# Altium PCB 键盘.PcbDoc (part 2 of 4)
Units mm, origin at the board's own origin, x right, y up, seen from the top; angles counter-clockwise.
Board outline 443.48 x 149.35 mm, 2 copper layers (Top Layer, Bottom Layer); 278 components, 283 nets, 1577 pads, 1412 vias.
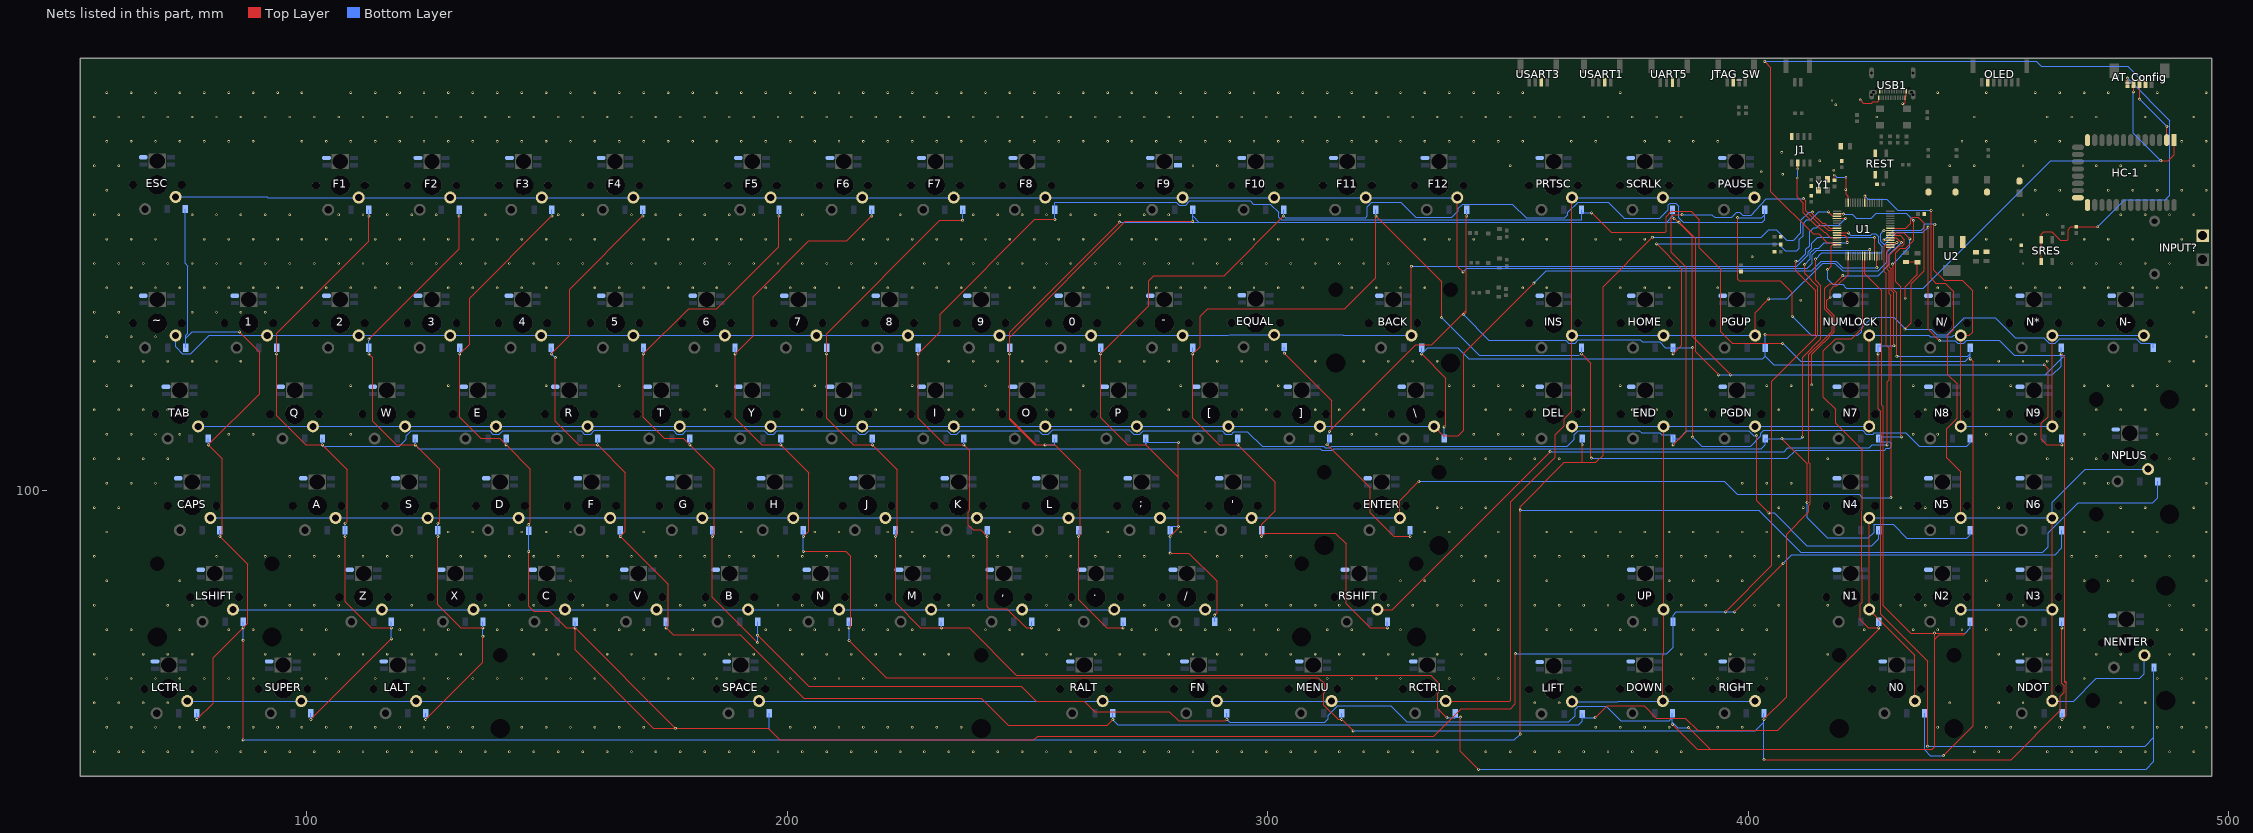
[diagram p2: the nets of this part, all layers, seen from the top]

## Via types
v1: diameter 0.508, hole 0.254, Top Layer to Bottom Layer, 1072 vias
v2: diameter 0.61, hole 0.305, Top Layer to Bottom Layer, 310 vias
v3: diameter 0.508, hole 0.254, Top Layer to Bottom Layer, tented both sides, 30 vias

## Nets (pads, with @x,y where several pads share a name; then routed paths per layer and width w, separated by ;. In a path a pad name is that pad's centre, name@x,y a point inside that pad or via, vN(x,y) a via of type N, cw(c..) or ccw(c..) an arc to the next point about the centre after c; other vN are vias at no path point) (continued)
GND: 0.5 1.5 2.5 3.5 4.5 5.5 6.5 7.5 8.5 9.5 '.5 ,.5 -.5 ..5 /.5 ;.5 [.5 \.5 ].5 A.5 AT_Config.2 B.5 BACK.5 C1.2 C2.2 C3.2 C4.1 C5.2 C6.2 C7.2 C8.2 C9.1 C10.1 C11.1 C12.1 C13.2 C.5 CAPS.5 D1.2 D2.2 D3.2 D.5 DEL.5 DOWN.5 DR.2 E.5 END.5 ENTER.5 EQUAL.5 ESC.5 F1.5 F2.5 F3.5 F4.5 F5.5 F6.5 F7.5 F8.5 F9.3 F9.5 F10.5 F11.5 F12.5 F.5 FN.5 G.5 H.5 HC-1.13 HC-1.21 HC-1.22 HOME.5 I.5 INPUT?.1 INS.5 J1.2 J1.8 J.5 JTAG_SW.3 K.5 L.5 LALT.5 LCTRL.5 LIFT.5 LSHIFT.5 M.5 MENU.5 N0.5 N1.5 N2.5 N3.5 N4.5 N5.5 N6.5 N7.5 N8.5 N9.5 N*.5 N-.5 N.5 N/.5 NDOT.5 NENTER.5 NPLUS.5 NUMLOCK.5 O.5 OLED.6 P.5 PAUSE.5 PGDN.5 PGUP.5 PRTSC.5 Q.5 R1.2 R3.2 R15.2 R.5 RALT.5 RCTRL.5 REST.2 RIGHT.5 RSHIFT.5 S.5 SCRLK.5 SPACE.5 SUPER.5 T.5 TAB.5 U1.12 U1.18 U1.63 U2.1 U.5 UART5.2 UP.5 USART1.2 USART3.2 USB1.A1 USB1.A12 USB1.B1 USB1.B12 V.5 W.5 X.5 Y1.2 Y1.4 Y.5 Z.5 ~.5 | length 79.9
  Top Layer w0.254: v3(410.21,165.1) 410.21,161.163 411.512,159.861 411.512,157.836 414.16,155.188 414.414,155.188 415.805,153.797 416.052,153.797 417.134,152.715 418.47,152.715 U1.12@418.503,152.682 ; v3(410.337,166.993) J1.2@410.337,168.236 ; v3(413.258,122.047) 413.258,128.404 415.775,130.921 415.814,130.921 417.954,133.06 417.954,136.434 416.379,138.008 416.379,139.646 v3(417.068,140.335) 417.068,141.792 417.97,142.694 418.452,142.694 418.491,142.654 420.803,144.966 U1.18@420.803,148.882 ; C4.1@417.957,164.622 v3(417.957,165.735) ; v3(420.37,165.227) 420.37,161.678 420.803,161.245 U1.63@420.803,159.982 ; v3(423.342,181.356) 424.002,180.696 425.697,180.696 425.948,180.946 426.945,180.946 427.147,181.148 USB1.A12@427.147,181.816 ; v3(432.151,180.594) 432.511,180.594 432.647,180.73 USB1.A1@432.647,181.816 432.897,182.066 USB1.B12@432.897,183.116 ; v3@432.666,140.104 v3(432.689,140.127) 432.689,142.501 435.229,145.041 C10.1@435.229,147.574 435.163,147.64 C9.1@432.816,147.64
  Bottom Layer w0.254: v3(410.21,165.1) 410.337,165.227 v3(410.337,166.993) ; v3(417.957,165.735) 418.465,165.227 v3(420.37,165.227)
  other v1: 55.88,45.72 60.96,45.72 66.04,45.72 71.12,45.72 76.2,45.72 81.28,45.72 86.36,45.72 91.44,45.72 96.52,45.72 101.6,45.72 106.68,45.72 111.76,45.72 116.84,45.72 121.92,45.72 127,45.72 132.08,45.72 137.16,45.72 142.24,45.72 147.32,45.72 152.4,45.72 157.48,45.72 162.56,45.72 167.64,45.72 172.72,45.72 177.8,45.72 182.88,45.72 187.96,45.72 193.04,45.72 198.12,45.72 203.2,45.72 208.28,45.72 213.36,45.72 218.44,45.72 223.52,45.72 228.6,45.72 233.68,45.72 238.76,45.72 243.84,45.72 248.92,45.72 254,45.72 259.08,45.72 264.16,45.72 269.24,45.72 274.32,45.72 279.4,45.72 284.48,45.72 289.56,45.72 294.64,45.72 299.72,45.72 304.8,45.72 309.88,45.72 314.96,45.72 320.04,45.72 325.12,45.72 330.2,45.72 335.28,45.72 345.44,45.72 350.52,45.72 355.6,45.72 360.68,45.72 365.76,45.72 370.84,45.72 375.92,45.72 381,45.72 386.08,45.72 447.04,45.72 452.12,45.72 462.28,45.72 467.36,45.72 472.44,45.72 477.52,45.72 482.6,45.72 487.68,45.72 492.76,45.72 58.42,50.8 63.5,50.8 68.58,50.8 73.66,50.8 78.74,50.8 83.82,50.8 88.9,50.8 93.98,50.8 99.06,50.8 104.14,50.8 109.22,50.8 114.3,50.8 119.38,50.8 124.46,50.8 129.54,50.8 134.62,50.8 144.78,50.8 149.86,50.8 154.94,50.8 160.02,50.8 165.1,50.8 170.18,50.8 200.66,50.8 205.74,50.8 210.82,50.8 215.9,50.8 220.98,50.8 226.06,50.8 231.14,50.8 236.22,50.8 368.3,50.8 373.38,50.8 378.46,50.8 383.54,50.8 393.7,50.8 398.78,50.8 439.42,50.8 449.58,50.8 454.66,50.8 459.74,50.8 464.82,50.8 469.9,50.8 474.98,50.8 480.06,50.8 485.14,50.8 490.22,50.8 495.3,50.8 55.88,55.88 60.96,55.88 66.04,55.88 71.12,55.88 355.6,55.88 360.68,55.88 441.96,55.88 452.12,55.88 457.2,55.88 477.52,55.88 482.6,55.88 492.76,55.88 58.42,60.96 63.5,60.96 68.58,60.96 73.66,60.96 78.74,60.96 83.82,60.96 88.9,60.96 99.06,60.96 104.14,60.96 114.3,60.96 124.46,60.96 129.54,60.96 134.62,60.96 139.7,60.96 144.78,60.96 149.86,60.96 154.94,60.96 160.02,60.96 170.18,60.96 175.26,60.96 180.34,60.96 185.42,60.96 195.58,60.96 200.66,60.96 205.74,60.96 210.82,60.96 215.9,60.96 312.42,60.96 317.5,60.96 322.58,60.96 327.66,60.96 337.82,60.96 342.9,60.96 347.98,60.96 388.62,60.96 393.7,60.96 403.86,60.96 469.9,60.96 485.14,60.96 490.22,60.96 495.3,60.96 55.88,66.04 66.04,66.04 71.12,66.04 76.2,66.04 91.44,66.04 96.52,66.04 101.6,66.04 106.68,66.04 111.76,66.04 116.84,66.04 121.92,66.04 127,66.04 132.08,66.04 147.32,66.04 152.4,66.04 162.56,66.04 167.64,66.04 172.72,66.04 177.8,66.04 182.88,66.04 187.96,66.04 193.04,66.04 203.2,66.04 208.28,66.04 213.36,66.04 218.44,66.04 223.52,66.04 228.6,66.04 233.68,66.04 248.92,66.04 254,66.04 259.08,66.04 264.16,66.04 269.24,66.04 274.32,66.04 279.4,66.04 284.48,66.04 289.56,66.04 294.64,66.04 299.72,66.04 304.8,66.04 309.88,66.04 314.96,66.04 320.04,66.04 325.12,66.04 330.2,66.04 335.28,66.04 340.36,66.04 345.44,66.04 386.08,66.04 391.16,66.04 396.24,66.04 401.32,66.04 416.56,66.04 452.12,66.04 457.2,66.04 462.28,66.04 472.44,66.04 477.52,66.04 487.68,66.04 492.76,66.04 58.42,71.12 63.5,71.12 73.66,71.12 83.82,71.12 88.9,71.12 99.06,71.12 104.14,71.12 119.38,71.12 124.46,71.12 129.54,71.12 139.7,71.12 144.78,71.12 149.86,71.12 160.02,71.12 165.1,71.12 170.18,71.12 180.34,71.12 195.58,71.12 200.66,71.12 205.74,71.12 210.82,71.12 215.9,71.12 220.98,71.12 226.06,71.12 241.3,71.12 246.38,71.12 256.54,71.12 271.78,71.12 276.86,71.12 281.94,71.12 287.02,71.12 292.1,71.12 297.18,71.12 302.26,71.12 312.42,71.12 317.5,71.12 327.66,71.12 342.9,71.12 347.98,71.12 358.14,71.12 363.22,71.12 368.3,71.12 373.38,71.12 378.46,71.12 388.62,71.12 393.7,71.12 398.78,71.12 403.86,71.12 424.18,71.12 434.34,71.12 439.42,71.12 444.5,71.12 449.58,71.12 454.66,71.12 459.74,71.12 469.9,71.12 485.14,71.12 490.22,71.12 495.3,71.12 55.88,76.2 71.12,76.2 76.2,76.2 91.44,76.2 96.52,76.2 101.6,76.2 106.68,76.2 121.92,76.2 137.16,76.2 142.24,76.2 147.32,76.2 157.48,76.2 162.56,76.2 177.8,76.2 182.88,76.2 198.12,76.2 203.2,76.2 218.44,76.2 233.68,76.2 238.76,76.2 254,76.2 259.08,76.2 274.32,76.2 279.4,76.2 294.64,76.2 299.72,76.2 304.8,76.2 309.88,76.2 314.96,76.2 325.12,76.2 330.2,76.2 335.28,76.2 340.36,76.2 345.44,76.2 355.6,76.2 360.68,76.2 365.76,76.2 370.84,76.2 375.92,76.2 386.08,76.2 391.16,76.2 401.32,76.2 406.4,76.2 416.56,76.2 431.8,76.2 436.88,76.2 452.12,76.2 457.2,76.2 487.68,76.2 492.76,76.2 58.42,81.28 73.66,81.28 154.94,81.28 327.66,81.28 332.74,81.28 342.9,81.28 347.98,81.28 358.14,81.28 383.54,81.28 388.62,81.28 393.7,81.28 398.78,81.28 449.58,81.28 469.9,81.28 474.98,81.28 480.06,81.28 495.3,81.28 55.88,86.36 81.28,86.36 91.44,86.36 96.52,86.36 101.6,86.36 106.68,86.36 111.76,86.36 116.84,86.36 121.92,86.36 132.08,86.36 137.16,86.36 142.24,86.36 147.32,86.36 152.4,86.36 157.48,86.36 162.56,86.36 167.64,86.36 172.72,86.36 177.8,86.36 182.88,86.36 187.96,86.36 193.04,86.36 198.12,86.36 203.2,86.36 208.28,86.36 218.44,86.36 223.52,86.36 228.6,86.36 233.68,86.36 238.76,86.36 243.84,86.36 248.92,86.36 254,86.36 259.08,86.36 264.16,86.36 269.24,86.36 274.32,86.36 289.56,86.36 294.64,86.36 299.72,86.36 304.8,86.36 340.36,86.36 345.44,86.36 355.6,86.36 360.68,86.36 365.76,86.36 370.84,86.36 375.92,86.36 381,86.36 386.08,86.36 391.16,86.36 396.24,86.36 401.32,86.36 406.4,86.36 467.36,86.36 472.44,86.36 477.52,86.36 482.6,86.36 487.68,86.36 492.76,86.36 58.42,91.44 129.54,91.44 134.62,91.44 144.78,91.44 149.86,91.44 154.94,91.44 170.18,91.44 190.5,91.44 205.74,91.44 210.82,91.44 220.98,91.44 226.06,91.44 231.14,91.44 246.38,91.44 266.7,91.44 281.94,91.44 287.02,91.44 332.74,91.44 337.82,91.44 347.98,91.44 358.14,91.44 363.22,91.44 368.3,91.44 373.38,91.44 378.46,91.44 383.54,91.44 388.62,91.44 393.7,91.44 398.78,91.44 403.86,91.44 469.9,91.44 474.98,91.44 480.06,91.44 485.14,91.44 495.3,91.44 55.88,96.52 60.96,96.52 335.28,96.52 340.36,96.52 345.44,96.52 406.4,96.52 411.48,96.52 431.8,96.52 436.88,96.52 452.12,96.52 477.52,96.52 482.6,96.52 492.76,96.52 58.42,101.6 63.5,101.6 68.58,101.6 398.78,101.6 403.86,101.6 408.94,101.6 469.9,101.6 474.98,101.6 495.3,101.6 55.88,106.68 60.96,106.68 66.04,106.68 71.12,106.68 335.28,106.68 340.36,106.68 345.44,106.68 350.52,106.68 355.6,106.68 360.68,106.68 416.56,106.68 462.28,106.68 467.36,106.68 472.44,106.68 482.6,106.68 487.68,106.68 492.76,106.68 58.42,111.76 63.5,111.76 68.58,111.76 73.66,111.76 83.82,111.76 88.9,111.76 109.22,111.76 317.5,111.76 322.58,111.76 342.9,111.76 347.98,111.76 353.06,111.76 434.34,111.76 439.42,111.76 449.58,111.76 454.66,111.76 459.74,111.76 469.9,111.76 485.14,111.76 495.3,111.76 55.88,116.84 60.96,116.84 66.04,116.84 71.12,116.84 177.8,116.84 182.88,116.84 203.2,116.84 218.44,116.84 223.52,116.84 233.68,116.84 238.76,116.84 243.84,116.84 254,116.84 259.08,116.84 279.4,116.84 294.64,116.84 299.72,116.84 309.88,116.84 314.96,116.84 320.04,116.84 345.44,116.84 350.52,116.84 355.6,116.84 365.76,116.84 375.92,116.84 381,116.84 391.16,116.84 406.4,116.84 436.88,116.84 452.12,116.84 472.44,116.84 477.52,116.84 482.6,116.84 492.76,116.84 58.42,121.92 63.5,121.92 109.22,121.92 129.54,121.92 149.86,121.92 165.1,121.92 185.42,121.92 205.74,121.92 226.06,121.92 241.3,121.92 261.62,121.92 281.94,121.92 302.26,121.92 337.82,121.92 342.9,121.92 347.98,121.92 353.06,121.92 373.38,121.92 403.86,121.92 408.94,121.92 434.34,121.92 454.66,121.92 469.9,121.92 474.98,121.92 480.06,121.92 485.14,121.92 495.3,121.92 55.88,127 60.96,127 66.04,127 71.12,127 76.2,127 81.28,127 86.36,127 233.68,127 238.76,127 243.84,127 248.92,127 254,127 259.08,127 264.16,127 269.24,127 274.32,127 279.4,127 289.56,127 294.64,127 299.72,127 309.88,127 320.04,127 325.12,127 330.2,127 335.28,127 452.12,127 457.2,127 462.28,127 487.68,127 492.76,127 58.42,132.08 63.5,132.08 68.58,132.08 495.3,132.08 55.88,137.16 60.96,137.16 76.2,137.16 81.28,137.16 86.36,137.16 91.44,137.16 492.76,137.16 58.42,142.24 63.5,142.24 68.58,142.24 73.66,142.24 78.74,142.24 83.82,142.24 88.9,142.24 93.98,142.24 99.06,142.24 104.14,142.24 109.22,142.24 114.3,142.24 119.38,142.24 129.54,142.24 134.62,142.24 139.7,142.24 144.78,142.24 149.86,142.24 160.02,142.24 165.1,142.24 170.18,142.24 175.26,142.24 180.34,142.24 185.42,142.24 195.58,142.24 200.66,142.24 205.74,142.24 210.82,142.24 215.9,142.24 220.98,142.24 226.06,142.24 231.14,142.24 236.22,142.24 241.3,142.24 246.38,142.24 251.46,142.24 261.62,142.24 266.7,142.24 271.78,142.24 276.86,142.24 281.94,142.24 287.02,142.24 292.1,142.24 297.18,142.24 302.26,142.24 307.34,142.24 317.5,142.24 322.58,142.24 327.66,142.24 332.74,142.24 353.06,142.24 358.14,142.24 373.38,142.24 378.46,142.24 383.54,142.24 393.7,142.24 439.42,142.24 449.58,142.24 454.66,142.24 459.74,142.24 464.82,142.24 469.9,142.24 474.98,142.24 480.06,142.24 485.14,142.24 490.22,142.24 495.3,142.24 55.88,147.32 60.96,147.32 66.04,147.32 71.12,147.32 76.2,147.32 81.28,147.32 86.36,147.32 91.44,147.32 96.52,147.32 101.6,147.32 106.68,147.32 111.76,147.32 116.84,147.32 121.92,147.32 127,147.32 132.08,147.32 137.16,147.32 142.24,147.32 147.32,147.32 152.4,147.32 157.48,147.32 162.56,147.32 167.64,147.32 172.72,147.32 177.8,147.32 182.88,147.32 187.96,147.32 193.04,147.32 198.12,147.32 203.2,147.32 208.28,147.32 213.36,147.32 218.44,147.32 228.6,147.32 233.68,147.32 238.76,147.32 243.84,147.32 248.92,147.32 254,147.32 259.08,147.32 264.16,147.32 269.24,147.32 274.32,147.32 279.4,147.32 284.48,147.32 289.56,147.32 294.64,147.32 299.72,147.32 304.8,147.32 309.88,147.32 314.96,147.32 320.04,147.32 325.12,147.32 457.2,147.32 467.36,147.32 472.44,147.32 477.52,147.32 482.6,147.32 487.68,147.32 58.42,152.4 63.5,152.4 68.58,152.4 78.74,152.4 83.82,152.4 88.9,152.4 93.98,152.4 99.06,152.4 104.14,152.4 109.22,152.4 114.3,152.4 119.38,152.4 124.46,152.4 129.54,152.4 134.62,152.4 139.7,152.4 144.78,152.4 149.86,152.4 154.94,152.4 160.02,152.4 170.18,152.4 175.26,152.4 180.34,152.4 185.42,152.4 190.5,152.4 195.58,152.4 200.66,152.4 215.9,152.4 220.98,152.4 226.06,152.4 231.14,152.4 236.22,152.4 241.3,152.4 246.38,152.4 251.46,152.4 256.54,152.4 261.62,152.4 271.78,152.4 276.86,152.4 281.94,152.4 287.02,152.4 292.1,152.4 297.18,152.4 302.26,152.4 307.34,152.4 312.42,152.4 317.5,152.4 332.74,152.4 337.82,152.4 342.9,152.4 353.06,152.4 358.14,152.4 368.3,152.4 373.38,152.4 378.46,152.4 449.58,152.4 454.66,152.4 469.9,152.4 474.98,152.4 480.06,152.4 490.22,152.4 55.88,157.48 60.96,157.48 76.2,157.48 81.28,157.48 86.36,157.48 91.44,157.48 96.52,157.48 106.68,157.48 111.76,157.48 116.84,157.48 121.92,157.48 127,157.48 137.16,157.48 152.4,157.48 157.48,157.48 167.64,157.48 172.72,157.48 177.8,157.48 182.88,157.48 187.96,157.48 193.04,157.48 203.2,157.48 223.52,157.48 238.76,157.48 243.84,157.48 248.92,157.48 254,157.48 259.08,157.48 264.16,157.48 269.24,157.48 274.32,157.48 279.4,157.48 457.2,157.48 462.28,157.48 477.52,157.48 482.6,157.48 487.68,157.48 492.76,157.48 58.42,162.56 459.74,162.56 464.82,162.56 474.98,162.56 480.06,162.56 485.14,162.56 490.22,162.56 495.3,162.56 55.88,167.64 60.96,167.64 284.48,167.64 289.56,167.64 350.52,167.64 441.96,167.64 447.04,167.64 457.2,167.64 472.44,167.64 477.52,167.64 482.6,167.64 492.76,167.64 58.42,172.72 63.5,172.72 68.58,172.72 73.66,172.72 78.74,172.72 83.82,172.72 88.9,172.72 99.06,172.72 104.14,172.72 109.22,172.72 114.3,172.72 119.38,172.72 124.46,172.72 129.54,172.72 134.62,172.72 139.7,172.72 144.78,172.72 149.86,172.72 154.94,172.72 160.02,172.72 165.1,172.72 170.18,172.72 175.26,172.72 180.34,172.72 185.42,172.72 190.5,172.72 195.58,172.72 200.66,172.72 205.74,172.72 210.82,172.72 215.9,172.72 220.98,172.72 226.06,172.72 231.14,172.72 236.22,172.72 241.3,172.72 246.38,172.72 251.46,172.72 256.54,172.72 261.62,172.72 266.7,172.72 271.78,172.72 276.86,172.72 281.94,172.72 287.02,172.72 292.1,172.72 297.18,172.72 302.26,172.72 307.34,172.72 312.42,172.72 317.5,172.72 322.58,172.72 327.66,172.72 332.74,172.72 337.82,172.72 342.9,172.72 347.98,172.72 353.06,172.72 363.22,172.72 368.3,172.72 378.46,172.72 383.54,172.72 388.62,172.72 393.7,172.72 444.5,172.72 449.58,172.72 459.74,172.72 464.82,172.72 490.22,172.72 495.3,172.72 55.88,177.8 60.96,177.8 66.04,177.8 71.12,177.8 76.2,177.8 81.28,177.8 86.36,177.8 91.44,177.8 96.52,177.8 101.6,177.8 106.68,177.8 111.76,177.8 116.84,177.8 121.92,177.8 127,177.8 132.08,177.8 137.16,177.8 142.24,177.8 147.32,177.8 152.4,177.8 157.48,177.8 162.56,177.8 167.64,177.8 172.72,177.8 177.8,177.8 182.88,177.8 187.96,177.8 193.04,177.8 198.12,177.8 203.2,177.8 208.28,177.8 213.36,177.8 218.44,177.8 223.52,177.8 228.6,177.8 233.68,177.8 238.76,177.8 243.84,177.8 248.92,177.8 254,177.8 259.08,177.8 264.16,177.8 269.24,177.8 274.32,177.8 279.4,177.8 284.48,177.8 289.56,177.8 294.64,177.8 299.72,177.8 304.8,177.8 309.88,177.8 314.96,177.8 320.04,177.8 325.12,177.8 330.2,177.8 335.28,177.8 340.36,177.8 345.44,177.8 350.52,177.8 355.6,177.8 360.68,177.8 365.76,177.8 370.84,177.8 375.92,177.8 381,177.8 386.08,177.8 426.72,177.8 447.04,177.8 462.28,177.8 467.36,177.8 472.44,177.8 482.6,177.8 492.76,177.8 58.42,182.88 63.5,182.88 68.58,182.88 73.66,182.88 78.74,182.88 83.82,182.88 88.9,182.88 93.98,182.88 99.06,182.88 109.22,182.88 114.3,182.88 119.38,182.88 124.46,182.88 129.54,182.88 134.62,182.88 139.7,182.88 144.78,182.88 149.86,182.88 154.94,182.88 160.02,182.88 165.1,182.88 170.18,182.88 175.26,182.88 180.34,182.88 185.42,182.88 190.5,182.88 195.58,182.88 200.66,182.88 205.74,182.88 210.82,182.88 215.9,182.88 220.98,182.88 226.06,182.88 231.14,182.88 236.22,182.88 241.3,182.88 246.38,182.88 251.46,182.88 256.54,182.88 261.62,182.88 266.7,182.88 271.78,182.88 276.86,182.88 281.94,182.88 287.02,182.88 292.1,182.88 297.18,182.88 302.26,182.88 307.34,182.88 312.42,182.88 317.5,182.88 322.58,182.88 327.66,182.88 332.74,182.88 337.82,182.88 342.9,182.88 347.98,182.88 353.06,182.88 373.38,182.88 439.42,182.88 449.58,182.88 459.74,182.88 464.82,182.88 469.9,182.88 474.98,182.88 485.14,182.88 495.3,182.88
  other v3: 413.385,116.84 410.972,139.7 400.812,148.717 420.268,162.687 407.162,165.862 402.717,166.37 417.83,166.751 414.909,168.681 407.01,170.434 418.211,180.34 417.449,181.229
HC_KEY: AT_Config.5 R14.2 SRES.1 | length 67.6
  Top Layer w0.254: SRES.1@461.028,147.737 SRES.1@461.028,152.237 461.028,153.412 461.502,153.885 463.233,153.885 464.947,152.171 466.369,152.171 466.598,152.4 466.598,154.381 467.172,154.955 R14.2@468.249,154.955 v2(472.76,154.955) ; AT_Config.5@478.971,184.641 v2(478.971,185.877)
  Bottom Layer w0.254: v2(472.76,154.955) 478.333,160.528 486.766,160.528 487.782,161.544 487.782,177.066 v2(478.971,185.877)
HC_RX: AT_Config.3 HC-1.2 U1.14 | length 140.5
  Top Layer w0.254: v2(403.454,189.357) 404.724,188.087 404.724,162.255 413.512,153.467 414.731,153.467 416.516,151.682 U1.14@418.503,151.682 ; v2(481.471,181.534) AT_Config.3@481.471,184.641 v2(481.471,185.873) ; HC-1.2@487.122,172.993 487.122,175.833 v2(487.147,175.858)
  Bottom Layer w0.254: v2(403.454,189.357) 459.969,189.357 460.959,188.366 478.978,188.366 v2(481.471,185.873) ; v2(481.471,181.534) v2(487.147,175.858)
HC_TX: AT_Config.4 HC-1.1 U1.15 | length 114.2
  Top Layer w0.254: v2(416.535,146.025) 417.271,146.761 417.271,150.877 417.576,151.182 U1.15@418.503,151.182 ; v2(480.187,183.007) 480.221,183.041 AT_Config.4@480.221,184.641 ; v2(485.877,168.732) 487.375,168.732 488.622,169.979 HC-1.1@488.622,172.993
  Bottom Layer w0.254: v2(416.535,146.025) 416.535,144.015 417.576,142.974 419.659,142.974 420.424,142.208 436.442,142.208 462.966,168.732 v2(485.877,168.732) 480.187,174.422 v2(480.187,183.007)
KEY_POS1: D4.2 D17.2 D31.2 D45.2 D58.2 D70.2 D84.2 D98.2 U1.8 | length 745.8
  Top Layer w0.254: v2(77.165,52.426) 80.594,55.855 80.594,65.253 v2(86.817,71.476) 87.757,72.415 87.757,84.76 v2(81.991,90.526) ; v2(81.991,90.538) 82.474,91.021 82.474,106.692 v2(79.578,109.588) 90.246,120.256 90.246,128.88 v2(86.055,133.071) ; v2(86.817,48.184) v2(86.817,68.91) ; v2(352.577,49.403) v2(352.577,96.012) 352.577,96.71 361.785,105.918 368.3,105.918 369.824,107.442 369.824,142.519 v2(380.086,152.781) ; 365.379,105.918 365.449,105.988 v3(365.449,109.582) ; v2(413.385,157.988) 413.385,157.69 415.433,155.642 415.992,155.642 416.952,154.682 U1.8@418.503,154.682
  Bottom Layer w0.254: D4.2@74.752,158.623 74.752,147.345 75.336,146.761 75.336,132.817 74.879,132.359 74.879,131.75 ; D17.2@74.879,129.794 74.879,131.75 ; v2(77.165,52.426) D70.2@77.165,53.721 ; v2(79.578,109.588) D31.2@79.578,110.871 ; v2(81.991,90.526) v2(81.991,90.538) D45.2@81.991,91.821 ; v2(86.055,133.071) 76.2,133.071 74.879,131.75 ; v2(86.817,48.184) 351.358,48.184 v2(352.577,49.403) ; v2(86.817,68.91) v2(86.817,71.476) D58.2@86.817,72.771 ; v2(352.577,96.012) 402.158,96.012 410.972,87.198 461.264,87.198 462.458,88.392 462.458,91.293 468.676,97.511 484.175,97.511 485.216,98.552 D98.2@485.216,101.981 ; v3(365.449,109.582) 365.455,109.588 D84.2@365.455,110.871 ; v2(380.086,152.781) 402.72,152.781 404.292,154.353 405.87,154.353 408.026,152.197 409.473,152.197 410.987,153.71 410.987,156.282 412.692,157.988 v2(413.385,157.988)
KEY_POS2: D5.2 D18.2 D32.2 D46.2 D59.2 D71.2 D85.2 D99.2 U1.9 | length 589.7
  Top Layer w0.254: v2(100.914,52.426) v2(117.678,69.19) ; v2(108.026,90.526) 108.026,76.937 113.475,71.488 v2(117.678,71.488) ; v2(108.026,93.243) 108.509,93.726 108.509,104.406 v2(103.327,109.588) 99.835,109.588 93.802,115.621 v2(93.802,128.511) 93.802,132.817 112.979,151.994 v2(112.979,157.201) ; v2(384.378,109.576) 387.096,112.293 387.096,146.558 383.975,149.679 383.975,157.102 384.378,157.505 v2(386.258,157.505) ; v2(401.752,111.506) 401.752,97.968 v2(404.317,95.402) ; v2(411.48,160.833) 411.966,160.347 411.966,158.316 415.094,155.188 415.645,155.188 416.65,154.182 U1.9@418.503,154.182
  Bottom Layer w0.254: v2(93.802,128.511) D18.2@93.802,129.794 ; v2(100.914,52.426) D71.2@100.914,53.721 ; D32.2@103.327,110.871 v2(103.327,109.588) 103.327,109.423 103.48,109.271 119.304,109.271 120.777,110.744 120.777,111.435 121.839,112.497 138.13,112.497 138.793,111.834 140.099,111.834 140.813,112.547 157.129,112.547 157.843,111.834 159.149,111.834 159.888,112.573 176.281,112.573 177.02,111.834 178.326,111.834 178.963,112.471 195.306,112.471 195.943,111.834 197.249,111.834 197.912,112.497 214.33,112.497 214.993,111.834 216.299,111.834 217.013,112.547 233.329,112.547 234.043,111.834 235.349,111.834 236.012,112.497 252.43,112.497 253.093,111.834 254.399,111.834 255.316,112.751 271.226,112.751 272.143,111.834 273.449,111.834 274.112,112.497 290.53,112.497 291.193,111.834 292.499,111.834 293.009,112.344 295.783,112.344 298.856,109.271 311.734,109.271 312.049,108.956 313.004,108.956 313.319,109.271 362.331,109.271 363.804,110.744 363.804,111.638 364.663,112.497 377.393,112.497 377.825,112.065 381.559,112.065 381.991,111.633 384.378,111.633 D85.2@384.378,110.871 ; v2(108.026,90.526) D46.2@108.026,91.821 v2(108.026,93.243) ; v2(112.979,157.201) D5.2@112.979,158.496 ; v2(117.678,69.19) v2(117.678,71.488) D59.2@117.678,72.771 ; v2(384.378,109.576) D85.2@384.378,110.871 ; v2(386.258,157.505) 392.481,157.505 393.09,156.896 396.545,156.896 397.586,157.937 398.212,157.937 398.831,157.318 400.609,157.318 403.733,160.833 v2(411.48,160.833) ; v2(401.752,111.506) 401.122,111.506 400.157,112.471 387.248,112.471 385.648,110.871 D85.2@384.378,110.871 ; v2(404.317,95.402) 405.409,95.402 412.217,88.595 425.704,88.595 427.177,90.068 D99.2@427.177,91.821
KEY_POS3: D6.2 D19.2 D33.2 D47.2 D60.2 D72.2 D86.2 D100.2 U1.10 | length 553.9
  Top Layer w0.254: v2(112.979,128.511) 113.817,127.673 113.817,114.452 118.682,109.588 v2(122.631,109.588) 127.686,104.533 127.686,93.599 v2(127.33,93.243) ; v2(112.979,131.572) 131.775,150.368 v2(131.775,157.201) ; v2(124.79,52.426) 136.728,64.364 v2(136.728,69.748) ; v2(127.33,90.526) 127.33,76.251 132.093,71.488 v2(136.728,71.488) ; v2(407.01,110.871) 412.267,105.613 v2(412.267,97.587) ; v2(411.328,111.227) 411.328,127.813 415.128,131.613 415.128,142.709 414.02,143.817 v2(414.02,148.234) ; U1.10@418.503,153.682 v2(420.853,153.682)
  Bottom Layer w0.254: v2(112.979,128.511) D19.2@112.979,129.794 v2(112.979,131.572) ; D33.2@122.631,110.871 v2(122.631,109.588) 123.406,108.814 310.913,108.814 311.224,108.502 313.452,108.502 313.764,108.814 402.781,108.814 403.555,109.588 D86.2@403.555,110.871 v2(407.01,110.871) 410.972,110.871 v2(411.328,111.227) ; v2(124.79,52.426) D72.2@124.79,53.721 ; v2(127.33,90.526) D47.2@127.33,91.821 v2(127.33,93.243) ; v2(131.775,157.201) D6.2@131.775,158.496 ; v2(136.728,69.748) v2(136.728,71.488) D60.2@136.728,72.771 ; v2(412.267,97.587) 412.267,94.437 416.509,90.195 425.044,90.195 426.288,91.44 426.288,93.015 430.174,93.015 433.019,90.17 445.516,90.17 446.227,90.881 D100.2@446.227,91.821 ; v2(414.02,148.234) 415.37,149.584 427.659,149.584 427.935,149.86 427.935,150.851 427.177,151.608 427.177,152.908 426.568,153.518 425.836,153.518 425.501,153.182 421.352,153.182 v2(420.853,153.682)
KEY_POS4: D7.2 D20.2 D34.2 D48.2 D61.2 D73.2 D87.2 D101.2 U1.11 | length 614.9
  Top Layer w0.254: v2(146.253,87.401) 146.253,76.022 147.32,74.955 150.622,74.955 154.089,71.488 v2(155.905,71.488) 155.905,66.904 172.212,50.597 196.113,50.597 198.501,48.209 251.384,48.209 252.146,48.971 334.594,48.971 340.284,54.661 350.571,54.661 351.587,55.677 v2(351.587,66.142) ; v2(146.253,92.989) 146.609,93.345 146.609,104.533 v2(141.554,109.588) 140.22,110.922 136.271,110.922 131.902,115.291 v2(131.902,128.511) 133.934,130.543 133.934,140.056 v2(151.079,157.201) ; v2(155.905,71.476) v2(176.784,50.597) ; v2(395.3,74.828) 404.952,84.48 404.952,122.765 414.522,132.334 414.522,142.465 411.734,145.253 v2(411.734,147.066) ; v2(397.18,74.828) v2(407.264,84.912) ; U1.11@418.503,153.182 420.124,153.182 420.624,152.682 v2(420.624,151.682)
  Bottom Layer w0.254: v2(131.902,128.511) D20.2@131.902,129.794 ; v2(141.554,109.588) D34.2@141.554,110.871 ; v2(146.253,87.401) D48.2@146.253,91.694 v2(146.253,92.989) ; v2(151.079,157.201) D7.2@151.079,158.496 ; v2(155.905,71.476) v2(155.905,71.488) D61.2@155.905,72.771 ; v2(176.784,50.597) 196.113,50.597 196.291,50.419 D73.2@196.291,53.721 ; v2(351.587,66.142) 383.032,66.142 384.378,67.488 D87.2@384.378,72.771 384.378,74.168 385.039,74.828 v2(395.3,74.828) v2(397.18,74.828) ; v2(407.264,84.912) 409.092,86.741 463.88,86.741 465.277,88.138 D101.2@465.277,91.821 ; v2(411.734,147.066) 412.934,148.266 412.934,148.984 412.935,148.985 412.935,149.506 413.925,150.495 414.652,150.495 415.839,151.682 v2(420.624,151.682)
KEY_POS5: D8.2 D21.2 D35.2 D49.2 D62.2 D74.2 D88.2 D102.2 U1.24 | length 481.1
  Top Layer w0.254: v2(150.952,128.511) 154.775,132.334 154.775,141.974 v2(170.002,157.201) ; v2(151.79,127.71) 151.79,114.452 156.667,109.576 v2(160.604,109.576) 166.37,103.81 166.37,91.592 v2(165.303,90.526) 175.311,80.518 175.311,71.971 v2(174.828,71.488) 176.288,70.028 190.246,70.028 203.454,56.82 240.411,56.82 246.024,51.206 266.598,51.206 v2(267.792,52.4) ; v2(368.173,52.807) 370.688,55.321 378.333,55.321 380.924,52.73 386.893,52.73 389.484,50.14 406.146,50.14 427.177,71.171 v2(427.177,71.476) 424.967,71.476 423.291,73.152 423.291,76.369 423.748,76.826 423.748,83.337 423.596,83.49 423.596,95.783 423.748,95.936 423.748,108.534 418.211,114.071 418.211,116.992 415.671,119.532 415.671,129.108 418.236,131.674 421.522,131.674 423.803,133.955 U1.24@423.803,148.882
  Bottom Layer w0.254: D21.2@150.952,129.794 v2(150.952,128.511) 151.753,127.71 v2(151.79,127.71) ; v2(160.604,109.576) D35.2@160.604,110.871 ; v2(165.303,90.526) D49.2@165.303,91.821 ; v2(170.002,157.201) D8.2@170.002,158.496 ; v2(174.828,71.488) D62.2@174.828,72.771 ; D74.2@267.792,53.721 v2(267.792,52.4) 268.834,51.359 364.744,51.359 365.455,52.07 D88.2@365.455,52.807 ; D88.2@365.455,53.594 D88.2@365.455,52.807 ; v2(368.173,52.807) D88.2@365.455,52.807 ; v2(427.177,71.476) D102.2@427.177,72.771
KEY_POS6: D9.2 D22.2 D36.2 D50.2 D63.2 D75.2 D89.2 D103.2 U1.25 | length 582.2
  Top Layer w0.254: v2(193.878,68.428) 184.48,77.826 v2(184.48,90.538) 184.836,90.894 184.836,104.533 v2(179.781,109.588) 178.447,110.922 174.498,110.922 170.129,115.291 v2(170.129,128.511) 179.515,137.897 185.395,137.897 198.323,150.825 v2(198.323,157.201) ; v2(193.878,69.952) 204.47,59.36 248.717,59.36 251.892,56.185 261.899,56.185 264.058,54.026 279.578,54.026 281.483,52.121 291.236,52.121 v2(291.541,52.426) ; v2(384.251,51.41) 389.433,46.228 438.277,46.228 ; v2(387.604,50.749) 392.125,46.228 438.277,46.228 ; U1.25@424.303,148.882 424.303,145.14 427.812,141.63 427.812,129.895 427.812,117.869 428.098,117.583 428.098,76.143 433.832,70.409 445.148,70.409 444.843,70.104 439.801,70.104 438.785,69.088 ; v2(438.785,70.409) 438.785,69.088 ; 438.277,46.228 438.785,46.736 438.785,69.088
  Bottom Layer w0.254: v2(170.129,128.511) D22.2@170.129,129.794 ; v2(179.781,109.588) D36.2@179.781,110.871 ; v2(184.48,90.538) D50.2@184.48,91.821 ; v2(193.878,68.428) v2(193.878,69.952) D63.2@193.878,72.771 ; v2(198.323,157.201) D9.2@198.323,158.496 ; D75.2@291.541,53.721 v2(291.541,52.426) 292.125,51.841 311.861,51.841 312.598,52.578 312.598,53.32 314.574,55.296 325.603,55.296 328.955,51.943 362.712,51.943 363.982,53.213 363.982,54.539 364.612,55.169 370.459,55.169 373.507,52.121 383.54,52.121 384.251,52.832 ; v2(384.251,51.41) 384.251,52.832 ; D89.2@384.251,53.721 384.251,52.832 ; v2(387.604,50.749) 385.318,50.749 384.251,51.816 384.251,52.832 ; v2(438.785,70.409) 445.148,70.409 446.227,71.488 D103.2@446.227,72.771
KEY_POS7: D10.2 D23.2 D37.2 D51.2 D64.2 D76.2 D90.2 D104.2 U1.37 | length 547.5
  Top Layer w0.254: v2(203.403,87.427) 212.217,87.427 213.284,86.36 213.284,71.844 v2(212.928,71.488) ; v2(203.403,90.538) 204.47,91.605 204.47,103.822 v2(198.704,109.588) 194.755,109.588 189.179,115.164 v2(189.179,128.511) 192.938,132.27 192.938,140.437 204.546,152.044 212.471,152.044 v2(217.627,157.201) ; v2(212.928,68.859) 220.628,61.16 310.569,61.16 311.861,59.868 311.861,57.988 311.709,57.836 311.709,55.372 314.655,52.426 v2(315.417,52.426) v2(317.805,50.038) ; v2(403.301,44.094) 454.762,44.094 464.998,54.331 464.998,57.302 465.744,58.048 465.744,59.452 465.277,59.919 v2(465.277,71.476) ; v2(403.301,52.438) 408,57.137 408,90.983 412.623,95.606 412.623,97.049 412.899,97.325 412.899,105.623 412.623,105.9 412.623,128.411 415.587,131.375 415.626,131.375 417.5,133.248 417.5,136.246 415.925,137.82 415.925,142.113 416.96,143.148 418.052,143.148 v2(419.684,144.78) ; U1.37@429.603,152.682 430.858,152.682 v2(431.876,151.663)
  Bottom Layer w0.254: v2(189.179,128.511) D23.2@189.179,129.794 ; v2(198.704,109.588) D37.2@198.704,110.871 ; v2(203.403,87.427) v2(203.403,90.538) D51.2@203.403,91.821 ; v2(212.928,68.859) v2(212.928,71.488) D64.2@212.928,72.771 ; v2(217.627,157.201) D10.2@217.627,158.496 ; v2(315.417,52.426) D76.2@315.417,53.721 ; v2(317.805,50.038) 401.523,50.038 403.301,51.816 ; v2(403.301,44.094) 403.301,51.816 ; D90.2@403.301,53.721 v2(403.301,52.438) 403.301,51.816 ; v2(419.684,144.78) 427.081,144.78 429.41,147.109 429.41,149.198 v2(431.876,151.663) ; v2(465.277,71.476) D104.2@465.277,72.771
KEY_POS8: D11.2 D24.2 D38.2 D52.2 D65.2 D77.2 D91.2 D105.2 U1.38 | length 581.1
  Top Layer w0.254: v2(236.55,156.312) 231.826,156.312 208.229,132.715 v2(208.229,128.511) 208.229,115.164 213.805,109.588 v2(217.754,109.588) 222.936,104.406 222.936,90.894 v2(222.58,90.538) 222.58,76.683 227.775,71.488 232.093,71.488 v2(232.105,71.476) 237.871,71.476 247.733,61.614 333.94,61.614 335.61,59.944 335.61,57.988 335.458,57.836 335.458,54.686 v2(337.312,52.832) ; v2(340.106,52.934) 340.106,45.847 v2(343.891,42.062) ; v2(427.05,128.511) 427.05,117.119 427.644,116.526 427.644,74.286 437.337,64.592 v2(437.337,46.863) ; U1.38@429.603,153.182 431.622,153.182 432.511,152.293 432.511,151.384 432.156,151.028 431.406,151.028 429.415,149.038 429.415,146.561 429.784,146.192 429.784,141.786 430.327,141.244 v2(430.327,130.2)
  Bottom Layer w0.254: v2(208.229,128.511) D24.2@208.229,129.794 ; v2(217.754,109.588) D38.2@217.754,110.871 ; v2(222.58,90.538) D52.2@222.58,91.821 ; v2(232.105,71.476) D65.2@232.105,72.771 ; v2(236.55,156.312) D11.2@236.55,158.496 ; v2(337.312,52.832) 339.039,52.832 D77.2@339.039,52.934 ; D77.2@339.039,53.721 D77.2@339.039,52.934 ; v2(340.106,52.934) D77.2@339.039,52.934 ; v2(343.891,42.062) 482.829,42.062 484.454,43.688 484.454,48.717 ; v2(427.05,128.511) D91.2@427.05,129.794 427.05,130.2 v2(430.327,130.2) ; v2(437.337,46.863) 482.6,46.863 484.454,48.717 ; D105.2@484.454,63.246 484.454,48.717
KEY_POS9: D12.2 D25.2 D39.2 D53.2 D66.2 D78.2 D92.2 D106.2 U1.39 | length 495.2
  Top Layer w0.254: v2(250.901,71.476) 249.733,71.476 245.745,75.463 242.087,75.463 241.63,75.921 v2(241.63,90.538) 240.296,91.872 238.76,91.872 237.744,92.888 237.744,95.597 238.074,95.927 238.074,108.318 v2(236.804,109.588) 232.855,109.588 227.279,115.164 v2(227.279,128.511) 231.851,133.083 231.851,136.804 251.536,156.489 v2(255.727,156.489) ; v2(367.411,157.836) 371.475,153.772 382.702,153.772 383,154.07 383,157.092 384.048,158.14 388.137,158.14 389.814,156.464 389.814,150.597 394.335,146.075 394.335,133.096 396.723,130.708 v2(407.162,130.708) ; U1.39@429.603,153.682 432.398,153.682 v2(433.654,152.425) ; v2(430.047,147.193) 430.238,147.002 430.238,141.998 430.962,141.275 v2(430.962,128.016) ; v2(440.614,44.907) 446.862,51.156 446.862,126.848 v2(446.227,127.483)
  Bottom Layer w0.254: v2(227.279,128.511) D25.2@227.279,129.794 ; v2(236.804,109.588) D39.2@236.804,110.871 ; v2(241.63,90.538) D53.2@241.63,91.821 ; v2(250.901,71.476) D66.2@250.901,72.771 ; v2(255.727,156.489) D12.2@255.727,158.496 255.727,159.969 255.854,160.096 281.031,160.096 281.668,159.459 282.974,159.459 283.84,160.325 296.418,160.325 297.053,159.69 300.533,159.69 302.285,157.937 302.285,156.972 302.873,156.385 365.325,156.385 365.328,156.388 D78.2@365.328,157.836 ; D78.2@365.328,158.496 D78.2@365.328,157.836 ; v2(367.411,157.836) D78.2@365.328,157.836 ; v2(407.162,130.708) 410.947,126.924 445.135,126.924 446.227,128.016 ; v2(430.047,147.193) 433.654,150.8 v2(433.654,152.425) ; v2(430.962,128.016) 445.719,128.016 446.227,128.524 ; D106.2@436.702,53.721 436.702,46.101 437.896,44.907 v2(440.614,44.907) ; v2(446.227,127.483) 446.227,128.016 ; D92.2@446.227,129.794 446.227,128.524 ; 446.227,128.016 446.227,128.524
KEY_POS10: D13.2 D26.2 D40.2 D54.2 D67.2 D79.2 D93.2 D107.2 U1.40 | length 664.2
  Top Layer w0.254: v2(253.714,109.582) 251.555,109.582 246.329,114.808 246.329,115.138 ; v2(269.215,155.931) 246.329,133.045 246.329,131.978 ; v2(269.951,71.476) 266.522,71.476 260.68,77.318 v2(260.68,90.538) 261.036,90.894 261.036,104.279 255.733,109.582 255.727,109.576 251.892,109.576 246.329,115.138 ; v2(284.429,156.058) 270.408,156.058 246.329,131.978 ; v2(384.607,156.693) 388.366,152.933 388.366,132.131 v2(396.342,124.155) ; v2(385.648,155.931) 389.103,152.476 389.103,128.93 v2(393.878,124.155) ; v2(428.273,154.182) U1.40@429.603,154.182 ; v2(437.439,154.889) 437.439,133.629 v2(439.801,131.267) ; v2(465.15,128.511) 465.912,127.749 465.912,60.512 ; v2(465.353,52.426) 466.198,53.27 466.198,59.941 ; 246.329,115.138 v2(246.329,128.511) 246.329,131.978 ; 465.912,60.512 465.912,60.227 466.198,59.941 ; 465.912,60.512 466.198,60.227 466.198,59.941
  Bottom Layer w0.254: v2(246.329,128.511) D26.2@246.329,129.794 ; v2(253.714,109.582) 255.733,109.582 255.727,109.588 D40.2@255.727,110.871 ; v2(260.68,90.538) D54.2@260.68,91.821 ; v2(269.215,155.931) 285.712,155.931 ; v2(269.951,71.476) D67.2@269.951,72.771 ; v2(284.429,156.058) 284.429,157.213 ; D13.2@284.429,158.496 284.429,157.213 ; D79.2@384.251,158.496 384.251,157.15 ; v2(384.607,156.693) 384.251,157.15 ; v2(385.648,155.931) 383.032,155.931 ; v2(393.878,124.155) v2(396.342,124.155) ; v2(428.273,154.182) 427.634,153.543 427.634,151.917 428.346,151.206 430.927,153.787 436.337,153.787 v2(437.439,154.889) ; v2(439.801,131.267) 443.083,131.267 443.593,130.757 444.899,130.757 445.465,131.323 452.242,131.323 455.371,128.194 465.15,128.194 ; D93.2@465.15,129.794 v2(465.15,128.511) 465.15,128.194 ; v2(465.353,52.426) D107.2@465.353,53.721 ; 284.429,157.213 285.712,155.931 ; 285.712,155.931 383.032,155.931 ; 383.032,155.931 384.251,157.15 ; v2(396.342,124.155) 461.874,124.155 465.912,128.194 465.15,128.194 ; v2(396.342,124.155) 463.321,124.155 465.15,125.984 465.15,128.194
KEY_POS11: D14.2 D27.2 D41.2 D55.2 D68.2 D80.2 D94.2 U1.41 | length 428.6
  Top Layer w0.254: v2(279.73,87.046) 283.616,87.046 289.484,81.178 289.484,74.625 v2(289.001,74.143) ; v2(279.73,90.538) 281.432,92.24 281.432,102.806 ; v2(281.432,92.608) 281.432,102.806 ; v2(281.432,110.084) 281.432,102.806 ; v2(303.352,157.201) 290.957,144.805 276.352,144.805 275.26,143.713 275.26,138.519 v2(265.252,128.511) 265.252,115.265 270.942,109.576 274.65,109.576 274.656,109.582 281.432,102.806 ; v2(397.815,156.864) 397.815,144.018 398.142,143.691 406.727,143.691 409.194,141.224 v2(409.194,136.296) ; U1.41@429.603,154.682 432.816,154.682 433.81,155.676 433.81,156.497 434.208,156.896 435.432,156.896 436.626,155.702 436.626,145.796 433.959,143.129 433.959,135.001 v2(432.638,133.68)
  Bottom Layer w0.254: v2(265.252,128.511) D27.2@265.252,129.794 ; D41.2@274.65,110.871 274.65,109.588 274.656,109.582 274.656,109.728 275.012,110.084 v2(281.432,110.084) ; v2(279.73,87.046) v2(279.73,90.538) D55.2@279.73,91.821 279.73,92.608 v2(281.432,92.608) ; D68.2@289.001,72.771 v2(289.001,74.143) ; D14.2@303.352,158.496 v2(303.352,157.201) 303.708,156.845 320.421,156.845 320.777,157.201 320.777,159.161 321.686,160.071 327.685,160.071 330.86,156.896 338.328,156.896 339.7,158.267 339.7,158.826 340.563,159.69 350.926,159.69 353.778,156.839 361.867,156.839 362.509,157.48 362.509,157.968 364.612,160.071 370.865,160.071 374.244,156.693 381.559,156.693 383.362,158.496 383.362,159.512 383.748,159.898 384.983,159.898 385.606,159.275 385.606,156.873 386.549,155.931 402.895,155.931 403.428,156.464 403.428,157.448 ; v2(397.815,156.864) 402.844,156.864 403.428,157.448 ; D80.2@403.428,158.496 403.428,157.448 ; v2(409.194,136.296) 413.156,132.334 422.834,132.334 423.596,133.096 423.596,133.909 425.831,136.144 430.301,136.144 v2@432.765,133.68 ; v2(432.638,133.68) v2@432.765,133.68 ; D94.2@484.327,129.794 484.327,130.734 481.716,130.734 480.776,131.674 464.866,131.674 463.949,130.757 462.643,130.757 461.548,131.851 455.6,131.851 451.383,136.068 444.983,136.068 441.43,132.515 439.239,132.515 438.074,133.68 v2@432.765,133.68
KEY_POS12: D15.2 D28.2 D42.2 D56.2 D69.2 D81.2 D95.2 U1.2 | length 379
  Top Layer w0.254: v2(293.827,109.576) 301.625,101.778 301.625,95.885 298.78,93.04 v2(298.78,90.526) 299.466,91.211 314.122,91.211 316.382,88.951 316.382,76.479 321.386,71.476 v2(324.942,71.476) ; v2(293.827,109.588) 289.979,109.588 284.429,115.138 v2(284.429,128.511) 285.953,130.035 285.953,136.296 287.528,137.871 316.067,137.871 322.529,144.333 v2(322.529,157.201) 336.22,143.51 v2(336.22,136.042) ; v2(365.328,128.511) 367.284,126.555 367.284,106.934 v2(367.411,106.807) ; U1.2@418.503,157.682 419.762,157.682 v2(419.837,157.607) ; v2(431.902,111.227) 431.727,111.401 431.727,142.466 430.692,143.501 430.692,149.573 431.645,150.526 432.771,150.526 434.442,152.196 v2(434.442,156.235)
  Bottom Layer w0.254: v2(284.429,128.511) D28.2@284.429,129.794 ; v2(293.827,109.576) v2(293.827,109.588) D42.2@293.827,110.871 ; v2(298.78,90.526) D56.2@298.78,91.821 ; v2(322.529,157.201) D15.2@322.529,158.496 ; v2(324.942,71.476) D69.2@324.942,72.771 ; v2(336.22,136.042) 344.068,128.194 364.744,128.194 v2(365.328,128.511) D81.2@365.328,129.794 ; v2(367.411,106.807) 408.076,106.807 408.127,106.756 409.858,108.487 428.4,108.487 428.751,108.838 429.514,108.838 429.823,109.146 429.823,109.908 429.514,110.217 427.177,110.217 D95.2@427.177,110.871 427.177,111.227 v2(431.902,111.227) ; v2(419.837,157.607) 421.665,157.607 422.504,156.769 425.651,156.769 426.641,157.759 432.918,157.759 v2(434.442,156.235)
KEY_POS13: D16.2 D29.2 D43.2 D57.2 D82.2 D96.2 U1.3 | length 319.1
  Top Layer w0.254: v2(303.479,128.638) 313.36,118.757 313.36,112.878 ; v2(312.369,109.601) 321.335,100.635 321.335,95.479 326.288,90.526 v2(329.641,90.526) ; v2(312.877,112.395) 313.36,112.878 ; v2(340.792,136.677) 341.325,137.211 341.325,137.541 ; v2(341.452,157.201) v2@341.325,157.074 ; v2(341.452,157.213) 341.325,157.086 v2@341.325,157.074 ; v2(380.949,151.384) 386.207,146.126 386.207,130.327 v2(384.378,128.499) ; v2(388.468,111.176) v2(388.468,129.794) ; v2(416.763,158.039) 416.763,157.988 417.569,157.182 U1.3@418.503,157.182 ; 313.36,112.878 330.886,130.404 334.188,130.404 341.325,137.541 ; 341.325,137.541 v2@341.325,157.074
  Bottom Layer w0.254: v2(303.479,128.638) D29.2@303.479,129.921 ; v2(312.369,109.601) 312.496,109.601 312.877,109.982 D43.2@312.877,110.871 v2(312.877,112.395) ; v2(329.641,90.526) D57.2@329.641,91.821 ; v2(340.792,136.677) 346.075,131.394 362.057,131.394 362.694,130.757 364,130.757 364.663,131.42 377.571,131.42 378.003,130.988 381.559,130.988 382.753,129.794 D82.2@384.378,129.794 ; v2(341.452,157.201) v2(341.452,157.213) D16.2@341.452,158.496 ; v2(380.949,151.384) 406.287,151.384 407.738,149.933 410.067,149.933 410.635,150.501 410.635,152.333 411.441,153.138 411.441,155.628 412.183,156.37 413.073,156.37 414.741,158.039 v2(416.763,158.039) ; v2(384.378,128.499) D82.2@384.378,129.794 ; v2(388.468,111.176) 390.373,109.271 400.507,109.271 402.666,111.43 402.666,112.039 403.2,112.573 423.804,112.573 424.543,111.834 426.057,111.834 426.288,112.065 432.849,112.065 435.643,109.271 445.516,109.271 446.227,109.982 D96.2@446.227,110.871 ; v2(388.468,129.794) D82.2@384.378,129.794
KEY_POS14: D30.2 D44.2 D83.2 D97.2 U1.4 | length 225.5
  Top Layer w0.254: v2(332.054,128.499) 337.109,123.444 337.109,113.665 v2(336.753,113.309) ; v2(403.555,132.503) 413.986,132.503 414.068,132.585 414.068,141.686 409.956,145.797 v2(409.956,147.777) ; U1.4@418.503,156.682 v2(420.268,156.682) ; v2(461.62,126.238) 462.407,125.451 462.407,115.443 461.01,114.046 461.01,110.719 462.153,109.576 v2(465.277,109.576)
  Bottom Layer w0.254: D30.2@332.054,129.794 v2(332.054,128.499) 333.306,129.75 339.591,129.75 341.833,127.508 403.047,127.508 403.555,128.016 ; D44.2@336.753,110.871 v2(336.753,113.309) ; v2(403.555,132.503) D83.2@403.555,129.794 403.555,128.016 ; v2(409.956,147.777) 410.444,147.777 412.027,149.361 412.027,150.268 412.803,151.043 412.803,153.923 413.614,154.734 414.259,154.734 414.789,155.264 418.851,155.264 v2(420.268,156.682) ; v2(461.62,126.238) 405.333,126.238 403.555,128.016 ; v2(465.277,109.576) D97.2@465.277,110.871
KEY_SEG1: ESC.1 F1.1 F2.1 F3.1 F4.1 F5.1 F6.1 F7.1 F8.1 F9.1 F10.1 F11.1 F12.1 U1.27 | length 371.6
  Top Layer w0.254: F12.1@339.471,161.036 339.471,146.787 v2(340.69,145.567) ; U1.27@425.303,148.882 v2(425.303,150.216)
  Bottom Layer w0.254: ESC.1@72.771,161.163 91.821,161.163 91.948,161.036 F1.1@110.871,161.036 F2.1@129.921,161.036 F3.1@148.971,161.036 F4.1@168.021,161.036 F5.1@196.596,161.036 F6.1@215.646,161.036 F7.1@234.696,161.036 F8.1@253.746,161.036 F9.1@282.321,161.036 F10.1@301.371,161.036 F11.1@320.421,161.036 F12.1@339.471,161.036 ; v2(340.69,145.567) 341.401,146.279 412.347,146.279 413.388,147.32 413.388,148.796 413.389,148.797 413.389,149.099 414.331,150.041 425.128,150.041 v2(425.303,150.216)
KEY_SEG2: 0.1 1.1 2.1 3.1 4.1 5.1 6.1 7.1 8.1 9.1 -.1 BACK.1 EQUAL.1 U1.29 ~.1 | length 379.9
  Top Layer w0.254: BACK.1@329.946,132.334 v2(329.946,146.736) ; U1.29@426.303,148.882 v2(426.303,152.72)
  Bottom Layer w0.254: ~.1@72.771,132.334 72.771,129.946 74.168,128.549 75.971,128.549 79.756,132.334 1.1@91.821,132.334 2.1@110.871,132.334 3.1@129.921,132.334 4.1@148.844,132.334 5.1@168.021,132.334 6.1@187.071,132.334 7.1@206.121,132.334 8.1@225.171,132.334 9.1@244.221,132.334 0.1@263.271,132.334 -.1@282.321,132.334 291.846,132.334 291.973,132.461 EQUAL.1@301.371,132.461 315.671,132.461 315.798,132.334 BACK.1@329.946,132.334 ; v2(329.946,146.736) 410.118,146.736 412.48,149.098 412.48,149.172 412.481,149.173 412.481,149.718 413.257,150.494 413.257,151.533 414.492,152.768 421.074,152.768 421.114,152.728 426.295,152.728 v2(426.303,152.72)
KEY_SEG3: [.1 \.1 ].1 E.1 I.1 O.1 P.1 Q.1 R.1 T.1 TAB.1 U1.30 U.1 W.1 Y.1 | length 377.6
  Top Layer w0.254: \.1@334.645,113.411 336.601,111.455 339.674,111.455 340.868,112.649 340.868,128.676 v2(355.422,143.231) ; v2(426.803,146.463) U1.30@426.803,148.882
  Bottom Layer w0.254: TAB.1@77.47,113.411 Q.1@101.346,113.411 W.1@120.523,113.411 E.1@139.446,113.411 R.1@158.496,113.411 T.1@177.673,113.411 Y.1@196.596,113.411 U.1@215.646,113.411 I.1@234.696,113.411 O.1@253.746,113.411 P.1@272.796,113.411 [.1@291.846,113.411 ].1@310.896,113.411 \.1@334.645,113.411 ; v2(355.422,143.231) 358.013,145.821 413.229,145.821 415.226,147.819 418.329,147.819 419.685,146.463 v2(426.803,146.463)
KEY_SEG4: '.1 ;.1 A.1 CAPS.1 D.1 ENTER.1 F.1 G.1 H.1 J.1 K.1 L.1 S.1 U1.33 | length 409.1
  Top Layer w0.254: ENTER.1@327.533,94.361 327.533,97.993 v2(331.495,101.956) ; U1.33@429.603,150.682 428.961,150.04 428.961,146.113 429.33,145.744 429.33,141.03 429.695,140.666 429.695,129.939 429.812,129.821 429.812,98.72 v2(429.695,98.603)
  Bottom Layer w0.254: CAPS.1@80.01,94.361 A.1@106.045,94.361 S.1@125.222,94.361 D.1@144.145,94.361 F.1@163.195,94.361 G.1@182.372,94.361 H.1@201.295,94.361 J.1@220.472,94.361 K.1@239.522,94.361 L.1@258.572,94.361 277.622,94.361 '.1@296.672,94.361 ENTER.1@327.533,94.361 ; v2(331.495,101.956) 395.072,101.956 397.764,99.263 423.088,99.263 423.748,98.603 v2(429.695,98.603)
KEY_SEG5: ,.1 ..1 /.1 B.1 C.1 LSHIFT.1 M.1 N.1 RSHIFT.1 U1.34 V.1 X.1 Z.1 | length 401.6
  Top Layer w0.254: RSHIFT.1@322.834,75.311 325.933,75.311 v2(358.8,108.179) ; v2(428.904,109.576) 428.904,122.707 429.358,123.161 429.358,129.633 428.72,130.271 428.72,145.244 428.371,145.593 428.371,150.876 428.677,151.182 U1.34@429.603,151.182
  Bottom Layer w0.254: LSHIFT.1@84.709,75.311 Z.1@115.697,75.311 X.1@134.747,75.311 C.1@153.797,75.311 V.1@172.847,75.311 B.1@191.897,75.311 N.1@210.82,75.311 M.1@229.997,75.311 248.92,75.311 ..1@268.097,75.311 /.1@287.02,75.311 RSHIFT.1@322.834,75.311 ; v2(358.8,108.179) 407.467,108.179 408.229,108.941 425.196,108.941 425.831,109.576 v2(428.904,109.576)
KEY_SEG6: FN.1 HOME.1 INS.1 LALT.1 LCTRL.1 MENU.1 PAUSE.1 PGUP.1 PRTSC.1 RALT.1 RCTRL.1 SCRLK.1 SPACE.1 SUPER.1 U1.35 | length 505.5
  Top Layer w0.254: RCTRL.1@337.058,56.261 350.393,56.261 350.571,56.439 350.571,97.714 359.886,107.029 359.886,111.678 361.772,113.563 361.772,114.986 363.347,116.561 INS.1@363.347,132.334 PRTSC.1@363.347,161.036 ; PGUP.1@401.447,132.334 401.447,137.109 v2(404.292,139.954) ; U1.35@429.603,151.682 v2(430.936,151.682)
  Bottom Layer w0.254: LCTRL.1@75.184,56.261 SUPER.1@98.933,56.261 LALT.1@122.809,56.261 SPACE.1@194.183,56.261 RALT.1@265.684,56.261 FN.1@289.433,56.261 MENU.1@313.309,56.261 RCTRL.1@337.058,56.261 ; INS.1@363.347,132.334 HOME.1@382.397,132.334 PGUP.1@401.447,132.334 ; PRTSC.1@363.347,161.036 SCRLK.1@382.27,161.036 PAUSE.1@401.32,161.036 ; v2(404.292,139.954) 408.083,139.954 415.493,147.365 418.071,147.365 419.64,145.796 427.069,145.796 428.888,147.615 428.888,149.633 v2(430.936,151.682)
KEY_SEG7: DEL.1 DOWN.1 END.1 LIFT.1 N7.1 N8.1 N9.1 N*.1 N-.1 N/.1 NUMLOCK.1 PGDN.1 RIGHT.1 U1.36 UP.1 | length 315.8
  Top Layer w0.254: DOWN.1@382.27,56.261 382.27,65.786 382.397,65.913 UP.1@382.397,75.311 END.1@382.397,113.411 ; N7.1@425.196,113.411 NUMLOCK.1@425.196,132.334 ; v2(428.269,152.182) U1.36@429.603,152.182 ; v2(438.861,155.473) 438.661,155.273 438.661,145.92 440.766,143.815 444.525,143.815 446.71,141.63 446.71,133.02 446.024,132.334 N/.1@444.246,132.334 N8.1@444.246,113.411 ; N9.1@463.296,113.411 N*.1@463.296,132.334
  Bottom Layer w0.254: LIFT.1@363.347,56.134 372.821,56.134 372.948,56.261 DOWN.1@382.27,56.261 RIGHT.1@401.447,56.261 ; DEL.1@363.347,113.411 END.1@382.397,113.411 PGDN.1@401.447,113.411 N7.1@425.196,113.411 ; NUMLOCK.1@425.196,132.334 437.623,132.334 437.896,132.061 442.505,132.061 442.778,132.334 N/.1@444.246,132.334 ; v2(428.269,152.182) 430.329,154.241 436.021,154.241 436.687,154.907 436.687,155.415 436.81,155.538 438.797,155.538 v2(438.861,155.473) ; N8.1@444.246,113.411 N9.1@463.296,113.411 ; N*.1@463.296,132.334 N-.1@482.346,132.334
KEY_SEG8: N0.1 N1.1 N2.1 N3.1 N4.1 N5.1 N6.1 NDOT.1 NENTER.1 NPLUS.1 U1.56 | length 275.5
  Top Layer w0.254: U1.56@424.303,159.982 v2(424.303,161.315) ; N4.1@425.196,94.361 N1.1@425.196,75.311 434.721,65.786 N0.1@434.721,56.261 ; v2(438.074,158.344) 438.074,144.272 439.09,143.256 441.02,143.256 442.798,141.478 442.798,133.629 441.579,132.41 441.579,124.181 443.484,122.276 443.484,115.075 441.325,112.916 441.325,106.909 444.246,103.988 N5.1@444.246,94.361 ; NDOT.1@463.296,56.261 N3.1@463.296,75.311 N6.1@463.296,94.361
  Bottom Layer w0.254: v2(424.303,161.315) 424.963,160.655 428.828,160.655 431.14,158.344 v2(438.074,158.344) ; N4.1@425.196,94.361 N5.1@444.246,94.361 N6.1@463.296,94.361 463.296,97.663 470.154,104.521 NPLUS.1@483.235,104.521 ; N2.1@444.246,75.311 N3.1@463.296,75.311 ; NDOT.1@463.296,56.261 467.792,56.261 472.491,60.96 481.457,60.96 482.473,61.976 NENTER.1@482.473,65.786